# Altium PCB PCB1.PcbDoc
Units mm, origin at the board's own origin, x right, y up, seen from the top; angles counter-clockwise.
Board outline 100.26 x 100.32 mm, 4 copper layers (Top Layer, GND, PWR, Bottom Layer), stack 0.603 mm thick; 103 components, 143 nets, 461 pads, 87 vias.
Unrouted connection lines stored in the file: 14.
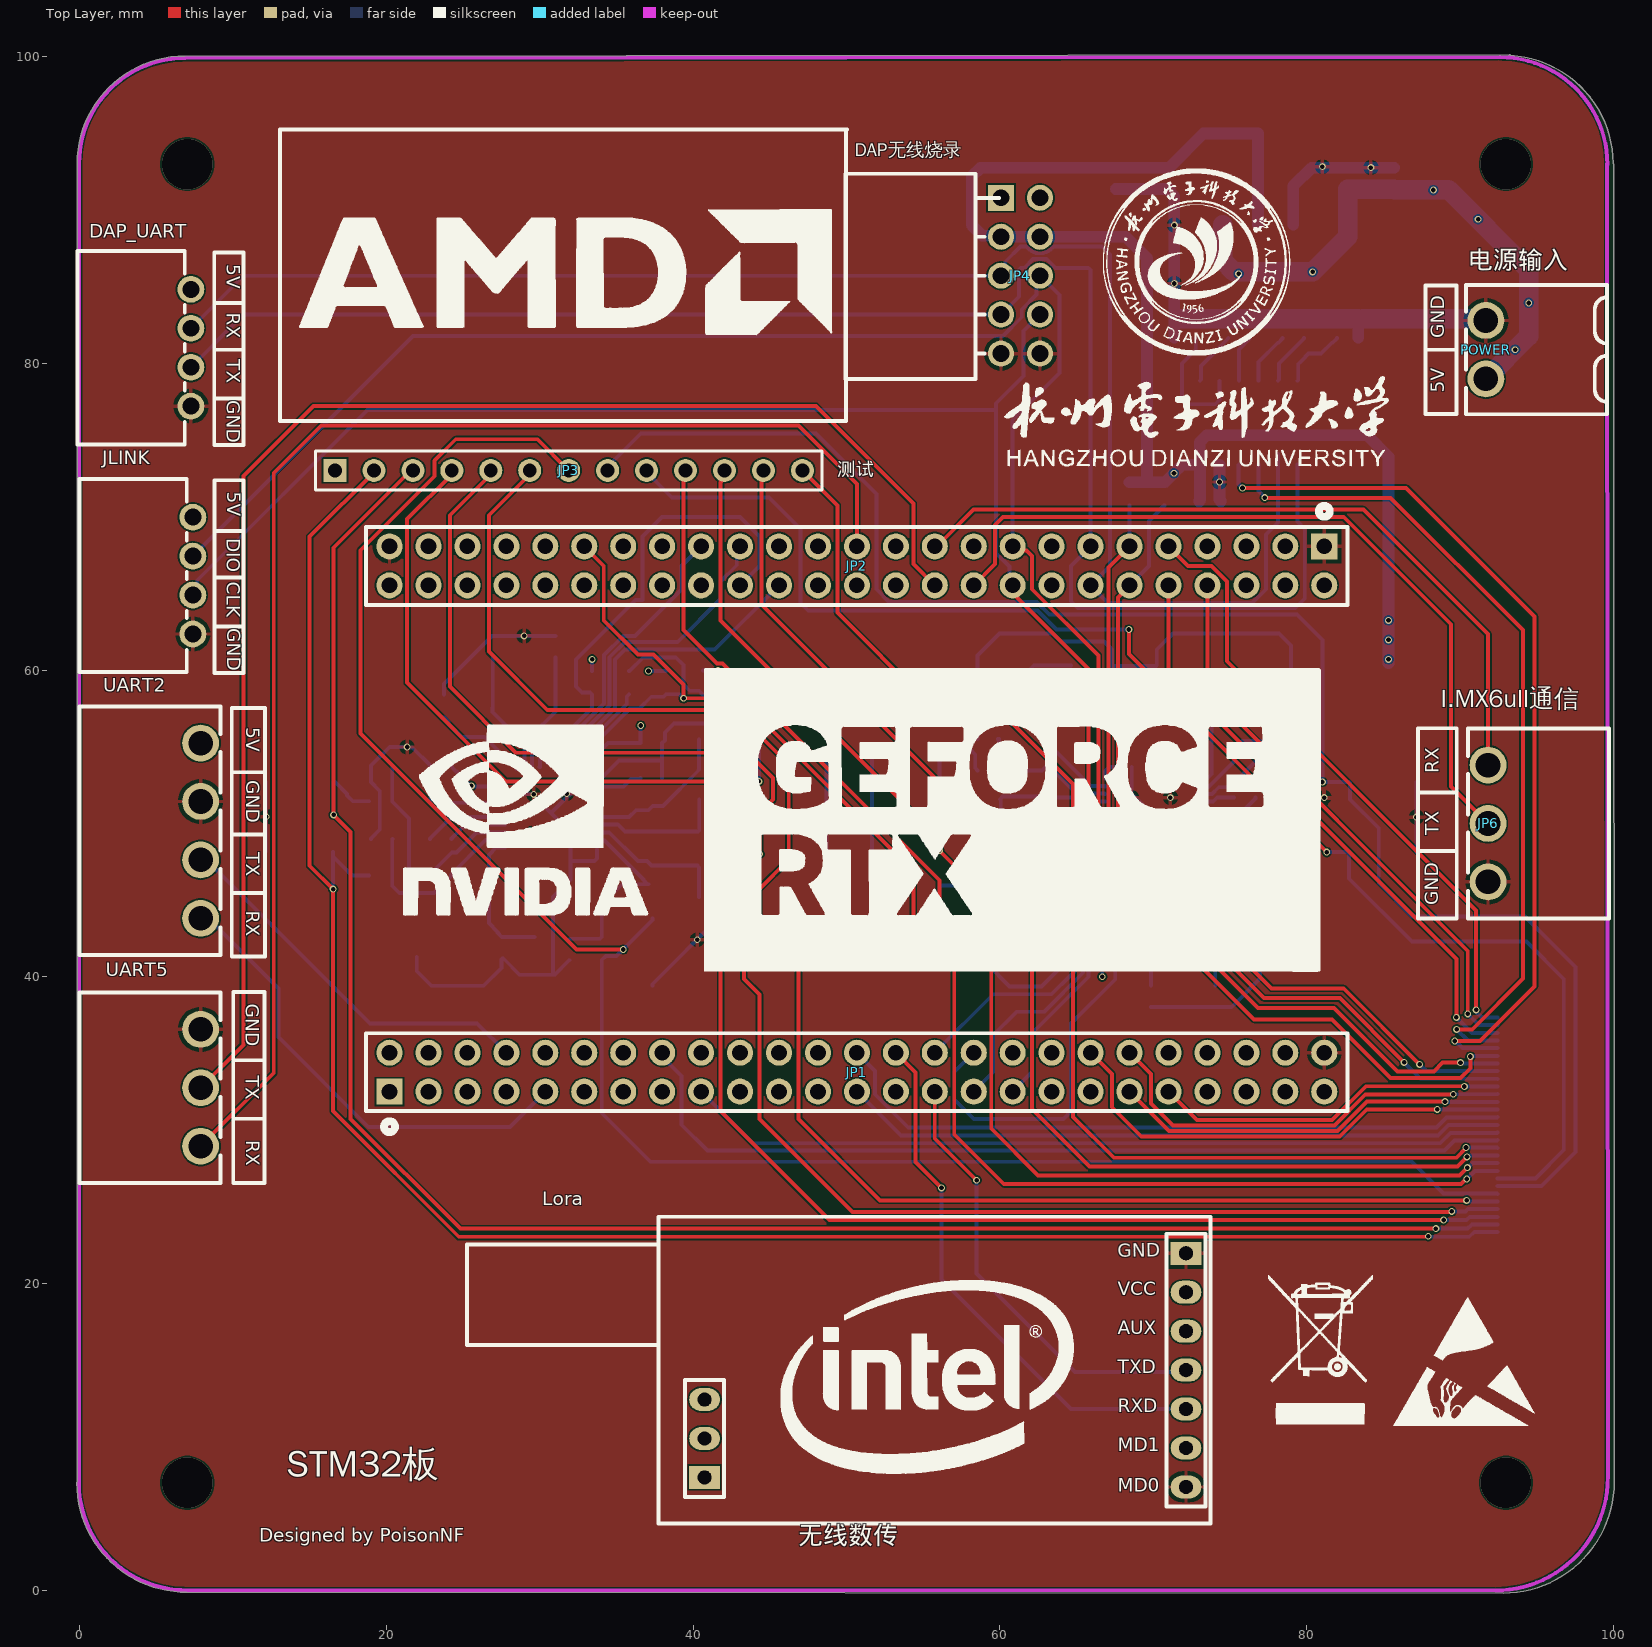
[diagram p0: Top Layer view]
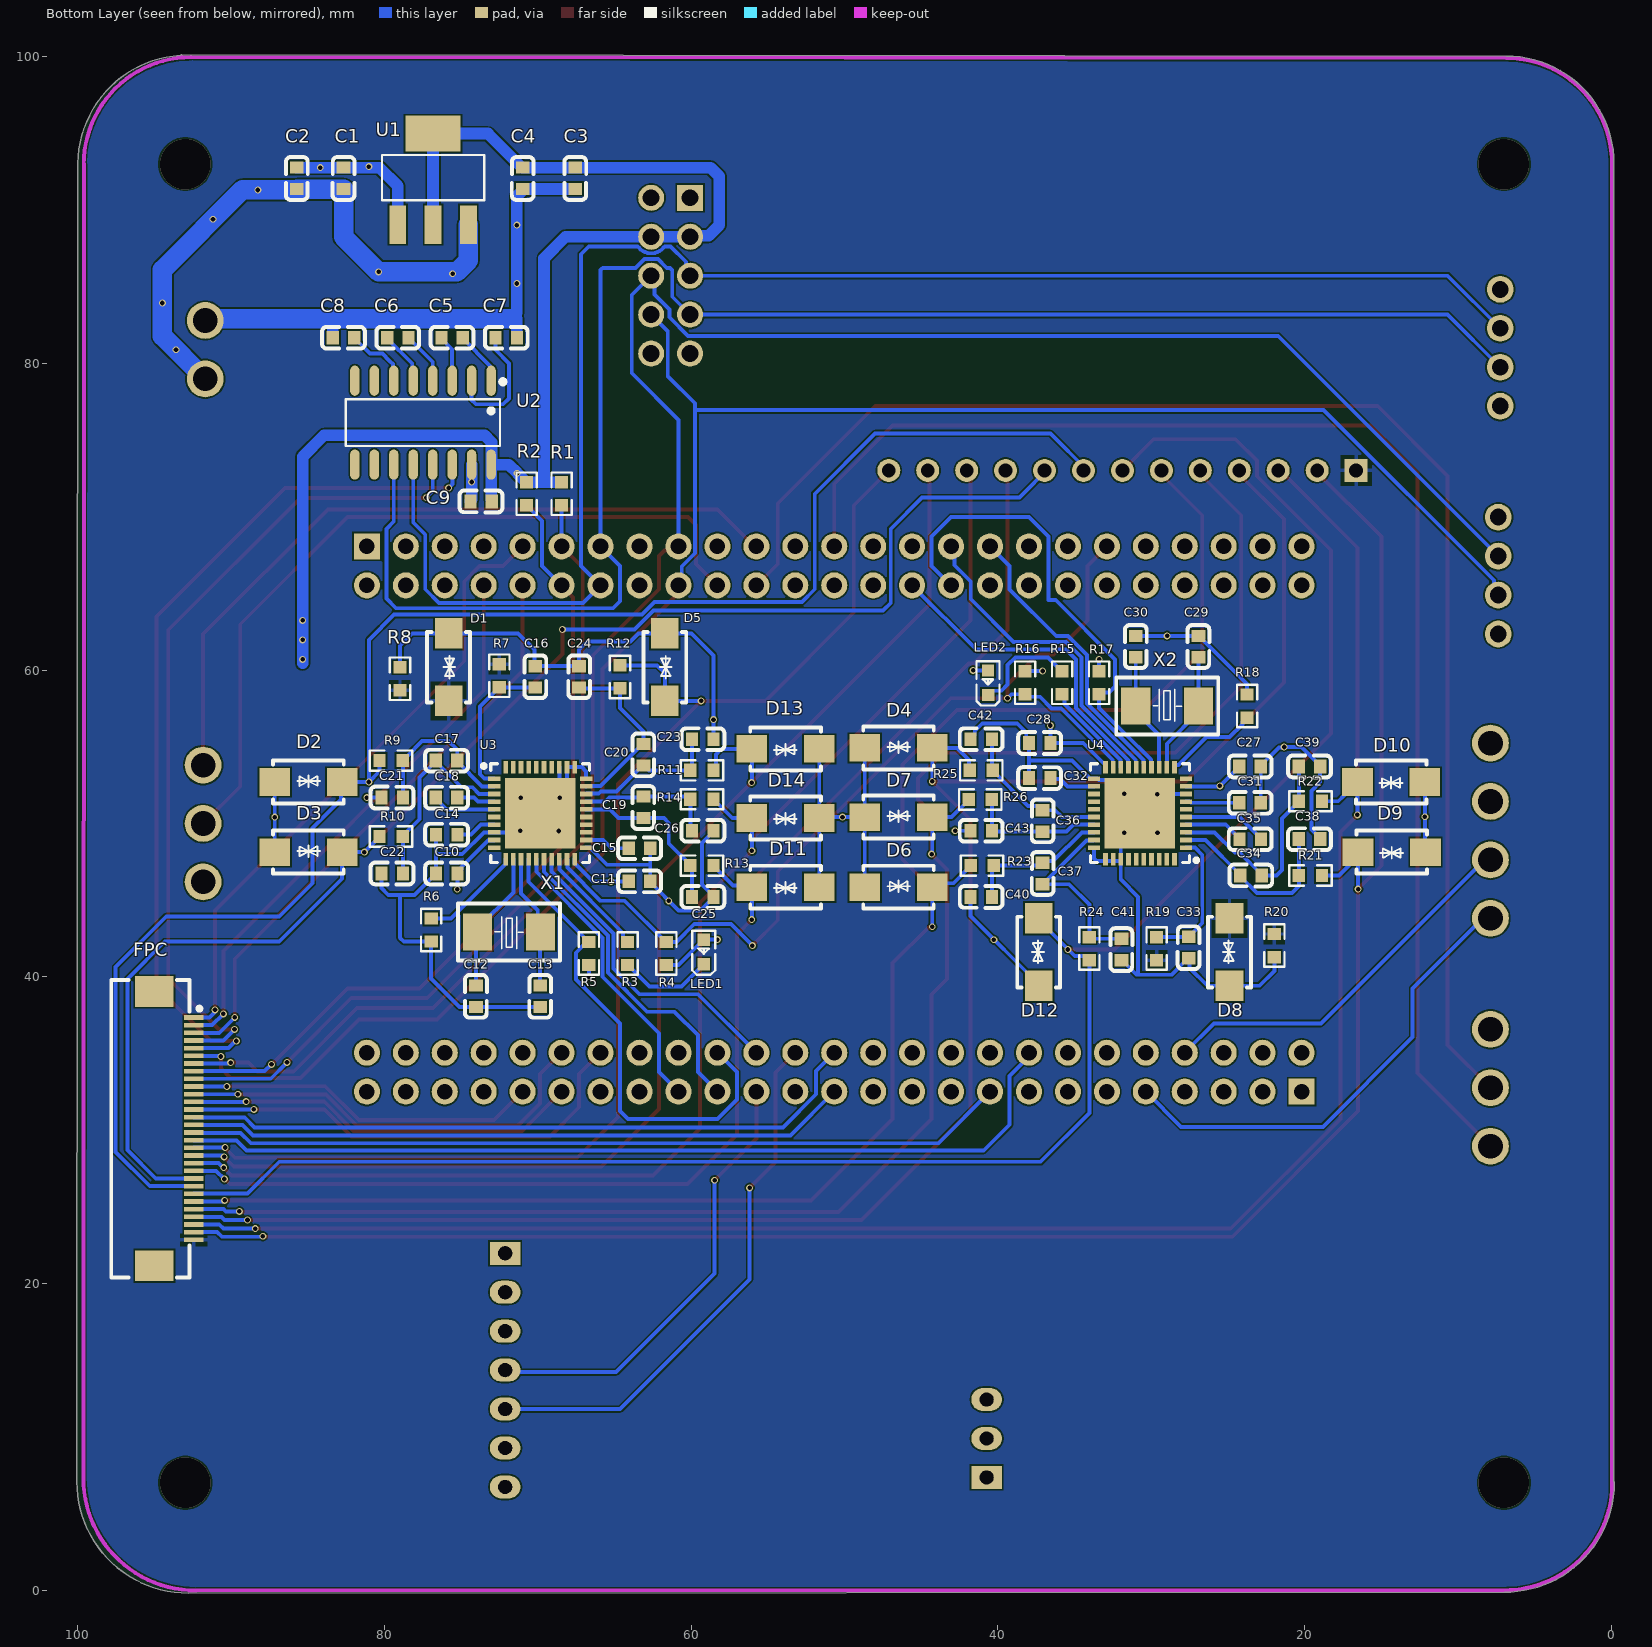
[diagram p1: Bottom Layer view, seen from below]
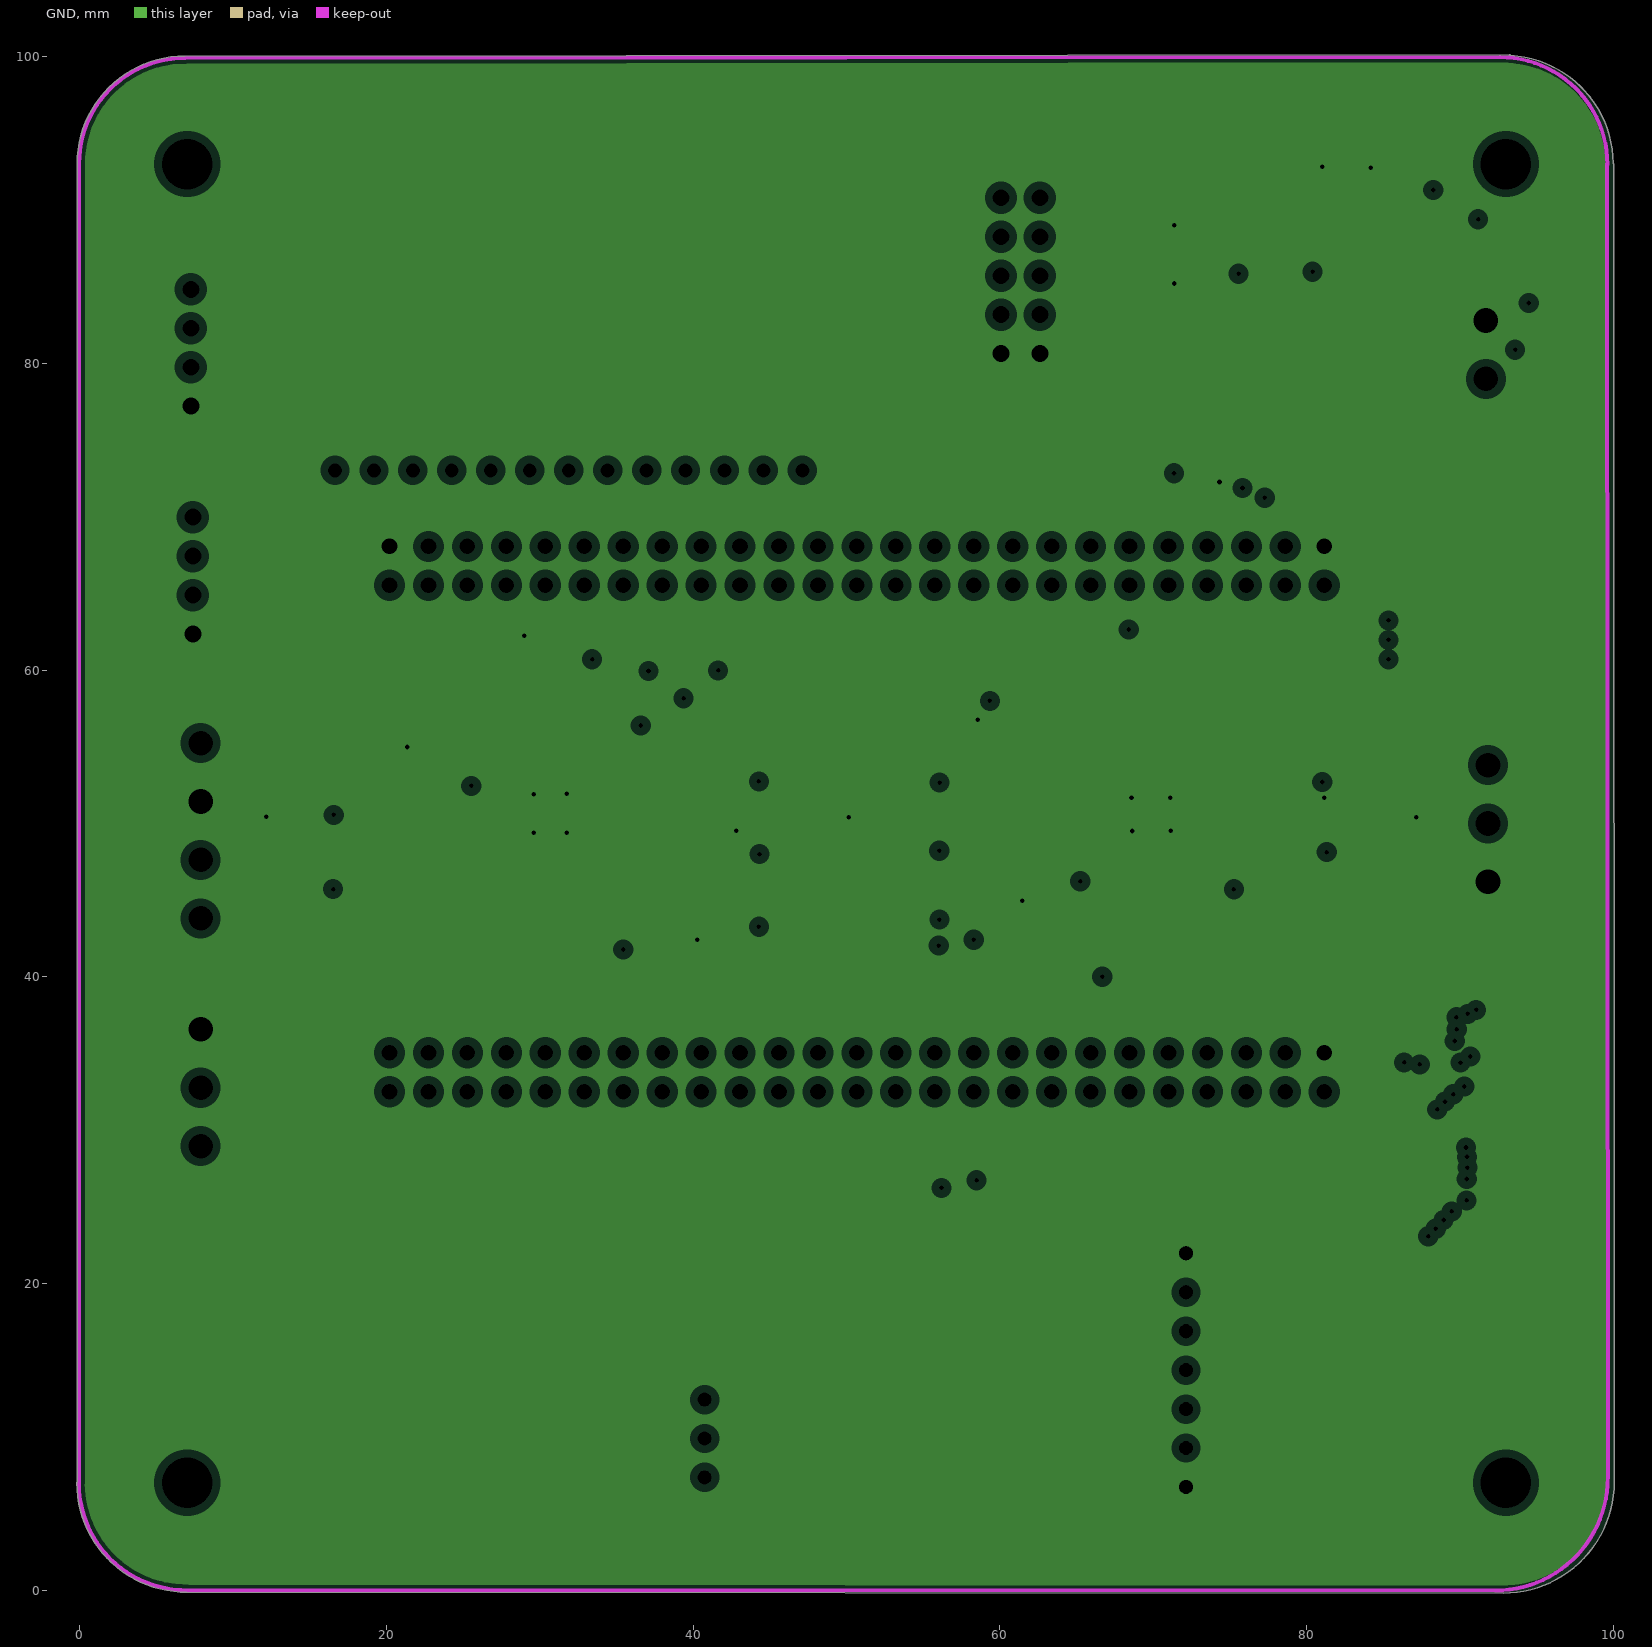
[diagram p2: GND, clearances drawn from the general rule]
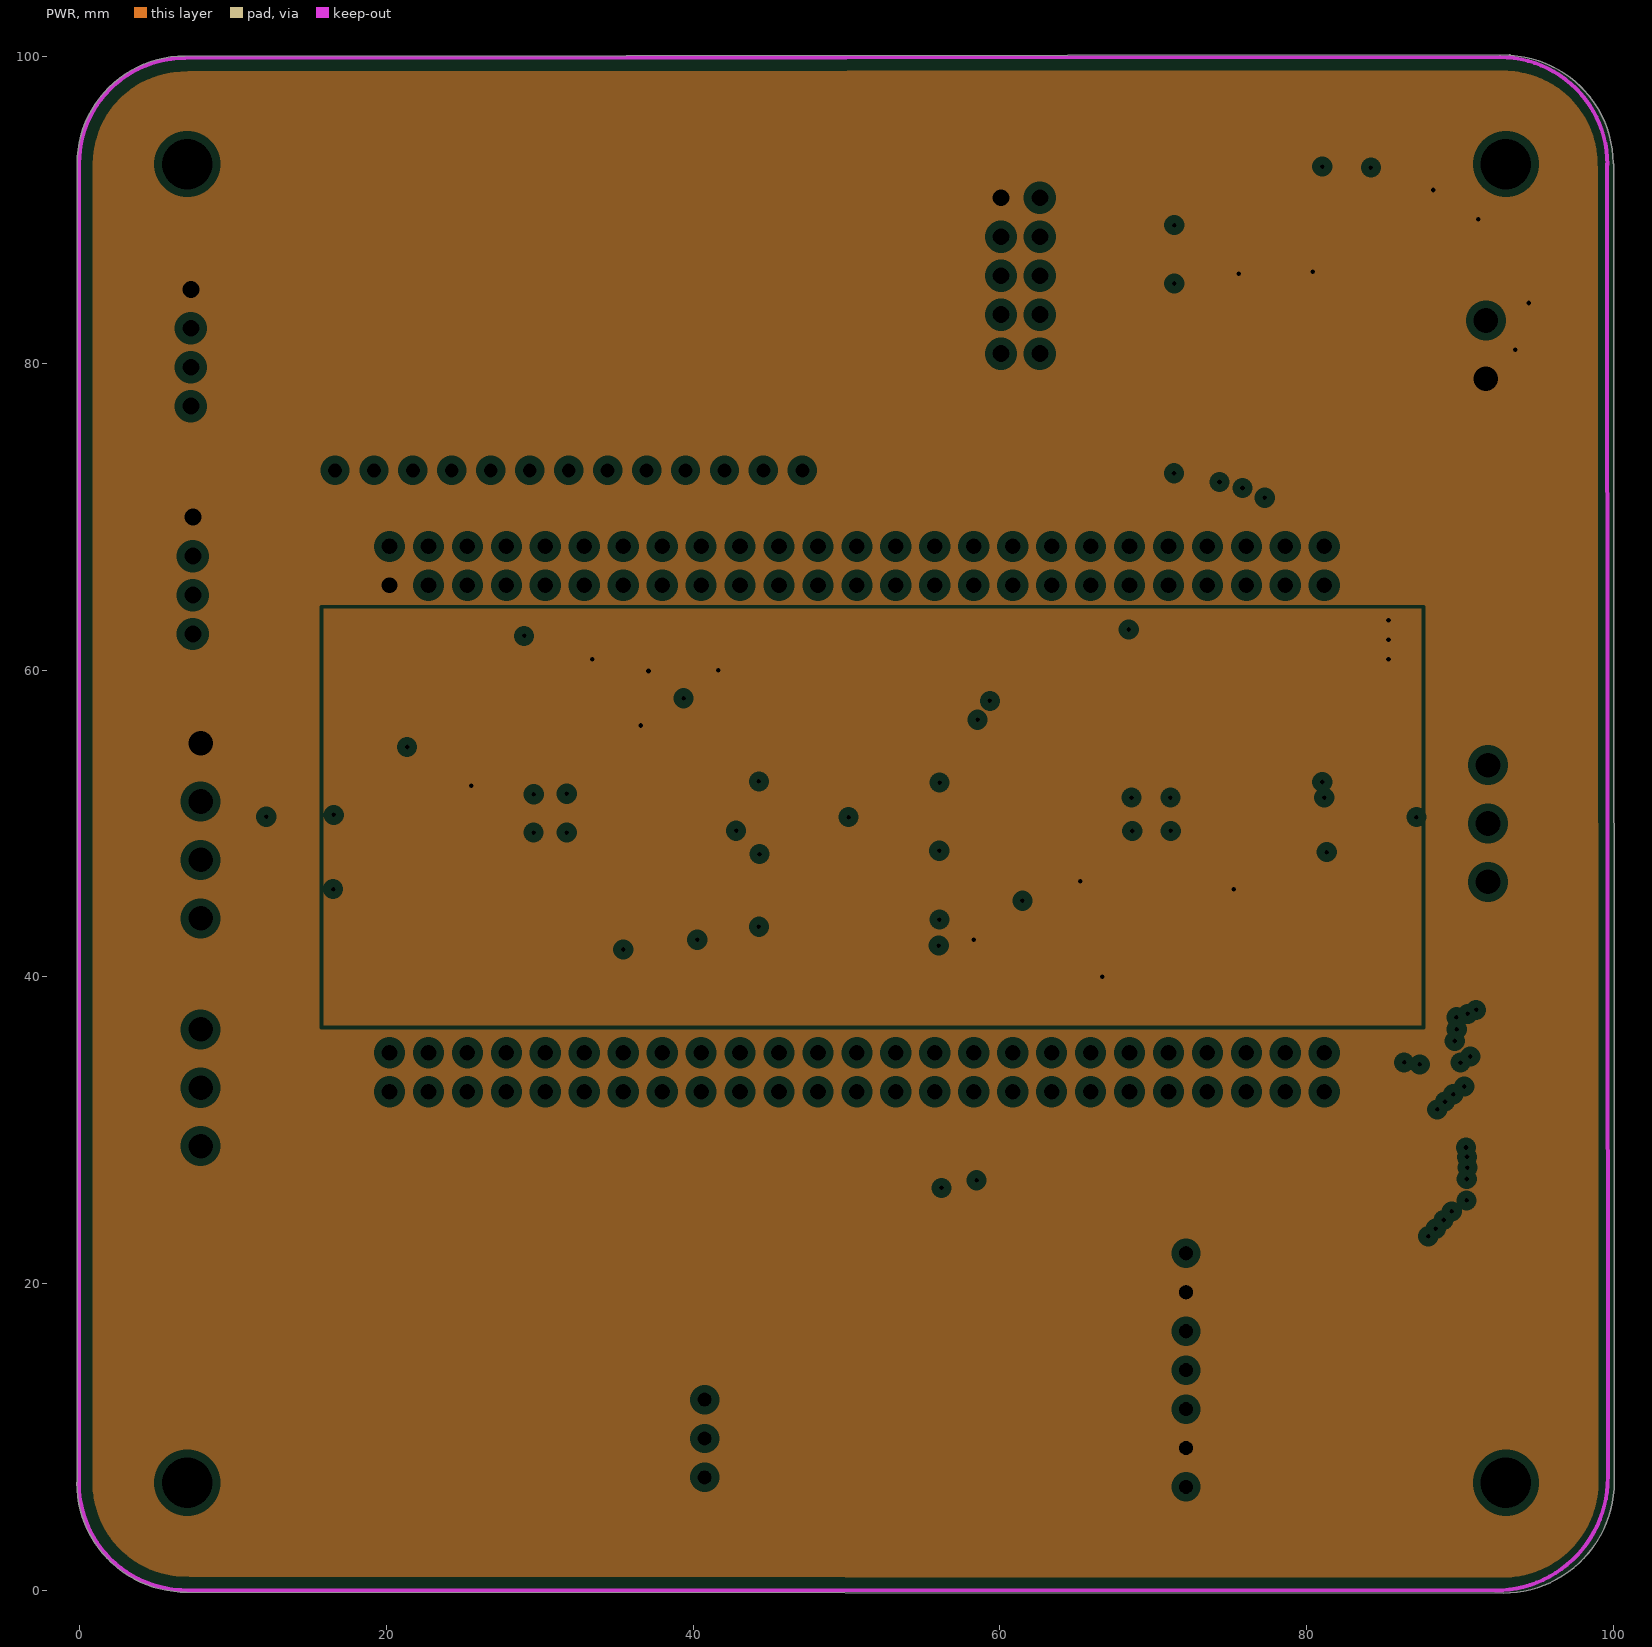
[diagram p3: PWR, clearances drawn from the general rule]

## Layer stack, top to bottom
Top Solder: solder mask 0.0102, Solder Resist, Dk 3.5
Top Layer: signal copper 0.0356
Dielectric 2: prepreg 0.0711, PP-006, Dk 4.1
GND: plane copper 0.035, net GND
Dielectric 1: dielectric 0.32, FR-4, Dk 4.8
PWR: plane copper 0.035, net (Multiple Nets)
Dielectric 3: prepreg 0.0711, PP-006, Dk 4.1
Bottom Layer: signal copper 0.0356
Bottom Solder: solder mask 0.0102, Solder Resist, Dk 3.5

## Board outline
6.563,-0.121 ccw(c6.604,0) 6.604,-0.127 6.739,-0.127 ccw(c6.929,6.998) 6.929,-0.13 ccw(c6.929,-0.003) 6.954,-0.128 92.811,-0.194 ccw(c92.811,7.061) 100.066,7.061 100.023,92.977 ccw(c99.896,92.977) 100,93.05 ccw(c92.873,92.977) 93.307,100.092 ccw(c93.218,100) 93.218,100.127 6.848,100.052 ccw(c6.848,93.026) -0.178,93.026 -0.178,7.066 ccw(c-0.071,6.997) -0.198,6.997 ccw(c6.929,6.997)

## Design rules (kind name [scope] priority, off if disabled: settings)
Clearance [All] p1: gap=0.1 ignorepadtopadclearanceinfootprint=FALSE
MinimumSolderMaskSliver [All] p1: minsoldermaskwidth=0
PlaneClearance [All] p1: clearance=0.508
PlaneConnect [All] p1: planeconnectstyle=Relief reliefexpansion=0.508 reliefentries=4 reliefconductorwidth=0.254 reliefairgap=0.254
PolygonConnect [All] p1: connectstyle=Relief reliefconductorwidth=0.254 reliefentries=4 polygonreliefangle="90 Angle" airgapwidth=0.254
RoutingVias [All] p1: holewidth=100 width=100 viastyle="Through Hole" minholewidth=0 minwidth=0 maxholewidth=0.711 maxwidth=6
SilkToSilkClearance [All] p1: silktosilkclearance=0
SilkToSolderMaskClearance [IsPad] p1: minsilkscreentomaskgap=0 clearancetoexposedcopper=TRUE
SolderMaskExpansion [All] p1: expansion=0.102 istentingtop=FALSE
Width [All] p1: maxlimit=2.54 minlimit=0.254 preferedwidth=0.762 bottomlayer_prefwidth=0.254 minimp=50.000000 maximp=50.000000 favimp=50.000000
25 further rules are at their usual default settings.

## Classes and differential pairs
component class STM32: C1 C2 C3 C4 C5 C6 C7 C8 C9 DAP_UART FPC JLINK JP1 JP2 JP3 JP4 JP6 Lora POWER R1 R2 U1 U2 Uart5 备用串口5 备用姿态传感器接口
component class AD4111_2: C27 C28 C29 C30 C31 C32 C33 C34 C35 C36 C37 C38 C39 C40 C41 C42 C43 D8 D9 D10 D11 D12 D13 D14 LED2 R15 R16 R17 R18 R19 R20 R21 R22 R23 R24 R25 R26 U4 X2
component class AD4111_1: C10 C11 C12 C13 C14 C15 C16 C17 C18 C19 C20 C21 C22 C23 C24 C25 C26 D1 D2 D3 D4 D5 D6 D7 LED1 R3 R4 R5 R6 R7 R8 R9 R10 R11 R12 R13 R14 U3 X1

## Components (designator, comment, footprint, x,y, rotation, side; value= is the part's Value field where it differs from the comment)
C1 "100nF" C0603 82.672,92.075 r90 bottom
C2 "10uF" C0603 85.72,92.075 r90 bottom value=100nF
C3 "10uF" C0603 67.559,92.075 r90 bottom value=100nF
C4 "100nF" C0603 70.988,92.075 r90 bottom
C5 "470nF" C0603 75.593,81.675 r180 bottom value=100nF
C6 "470nF" C0603 79.132,81.675 r180 bottom value=100nF
C7 "470nF" C0603 72.069,81.681 r0 bottom value=100nF
C8 "470nF" C0603 82.672,81.675 r180 bottom value=100nF
C9 "470nF" C0603 73.702,71 r180 bottom value=100nF
C10 "100nF" C0603 75.946,46.736 r180 bottom
C11 "100nF" C0603 63.373,46.228 r0 bottom
C12 "20pF" C0603 74.041,38.735 r90 bottom value=100nF
C13 "20pF" C0603 69.85,38.735 r90 bottom value=100nF
C14 "100nF" C0603 75.946,49.271 r180 bottom
C15 "100nF" C0603 63.373,48.387 r0 bottom
C16 "4.7nF" C0603 70.167,59.563 r270 bottom value=100nF
C17 "4.7nF" C0603 75.961,54.102 r0 bottom value=100nF
C18 "4.7nF" C0603 75.961,51.689 r0 bottom value=100nF
C19 "4.7nF" C0603 63.119,51.054 r90 bottom value=100nF
C20 "4.7nF" C0603 63.119,54.483 r90 bottom value=100nF
C21 "4.7nF" C0603 79.502,51.689 r180 bottom value=100nF
C22 "4.7nF" C0603 79.502,46.736 r180 bottom value=100nF
C23 "4.7nF" C0603 59.247,55.499 r0 bottom value=100nF
C24 "4.7nF" C0603 67.31,59.563 r270 bottom value=100nF
C25 "4.7nF" C0603 59.247,45.212 r0 bottom value=100nF
C26 "4.7nF" C0603 59.247,49.53 r0 bottom value=100nF
C27 "100nF" C0603 23.557,53.721 r0 bottom
C28 "100nF" C0603 37.273,55.245 r180 bottom
C29 "20pF" C0603 26.924,61.533 r270 bottom value=100nF
C30 "20pF" C0603 31.011,61.533 r270 bottom value=100nF
C31 "100nF" C0603 23.557,51.35 r0 bottom
C32 "100nF" C0603 37.273,52.959 r180 bottom
C33 "4.7nF" C0603 27.559,41.91 r90 bottom value=100nF
C34 "4.7nF" C0603 23.495,46.609 r180 bottom value=100nF
C35 "4.7nF" C0603 23.541,48.974 r180 bottom value=100nF
C36 "4.7nF" C0603 37.084,50.165 r270 bottom value=100nF
C37 "4.7nF" C0603 37.084,46.736 r270 bottom value=100nF
C38 "4.7nF" C0603 19.685,48.98 r0 bottom value=100nF
C39 "4.7nF" C0603 19.685,53.721 r0 bottom value=100nF
C40 "4.7nF" C0603 41.083,45.207 r180 bottom value=100nF
C41 "4.7nF" C0603 31.944,41.783 r90 bottom value=100nF
C42 "4.7nF" C0603 41.083,55.494 r180 bottom value=100nF
C43 "4.7nF" C0603 41.083,49.525 r180 bottom value=100nF
D1 "SMAJ33CA_C908829" SMA_L4.4-W2.8-LS5.1-BI 75.819,60.198 r90 bottom
D2 "SMAJ33CA_C908829" SMA_L4.4-W2.8-LS5.1-BI 84.963,52.705 r0 bottom
D3 "SMAJ33CA_C908829" SMA_L4.4-W2.8-LS5.1-BI 84.963,48.133 r0 bottom
D4 "SMAJ33CA_C908829" SMA_L4.4-W2.8-LS5.1-BI 53.848,54.864 r180 bottom
D5 "SMAJ33CA_C908829" SMA_L4.4-W2.8-LS5.1-BI 61.722,60.198 r90 bottom
D6 "SMAJ33CA_C908829" SMA_L4.4-W2.8-LS5.1-BI 53.848,45.847 r180 bottom
D7 "SMAJ33CA_C908829" SMA_L4.4-W2.8-LS5.1-BI 53.848,50.355 r180 bottom
D8 "SMAJ33CA_C908829" SMA_L4.4-W2.8-LS5.1-BI 24.892,41.615 r270 bottom
D9 "SMAJ33CA_C908829" SMA_L4.4-W2.8-LS5.1-BI 14.31,48.133 r180 bottom
D10 "SMAJ33CA_C908829" SMA_L4.4-W2.8-LS5.1-BI 14.351,52.705 r180 bottom
D11 "SMAJ33CA_C908829" SMA_L4.4-W2.8-LS5.1-BI 46.482,45.847 r0 bottom
D12 "SMAJ33CA_C908829" SMA_L4.4-W2.8-LS5.1-BI 37.338,41.615 r270 bottom
D13 "SMAJ33CA_C908829" SMA_L4.4-W2.8-LS5.1-BI 46.482,54.927 r0 bottom
D14 "SMAJ33CA_C908829" SMA_L4.4-W2.8-LS5.1-BI 46.482,50.419 r0 bottom
DAP_UART "XH-4AW" CONN-TH_XH-4AW 7.239,81.026 r270 top
FPC "FPC-05F-30PH20" FPC-SMD_30P-P0.50_XUNPU_FPC-05F-30PH20 93.726,30.099 r270 bottom
JLINK "XH-4AW" CONN-TH_XH-4AW 7.366,66.167 r270 top
JP1 "2685Y-225CNG1SNA01" HDR-TH_50P-P2.54-V-F-R2-C25-S2.54-1 50.673,33.782 r0 top
JP2 "2685Y-225CNG1SNA01" HDR-TH_50P-P2.54-V-F-R2-C25-S2.54-1 50.673,66.802 r180 top
JP3 "Header 13" HDR1X13 16.637,73.025 r0 top
JP4 "PM254-2-05-W-8.5" HDR-TH_10P-P2.54-H-F-R2-C5-W8.5 61.341,85.725 r270 top
JP6 "KF2EDGR-3.81-3P" CONN-TH_3P-P3.81_KF2EDGR-3.81-3P 91.833,50 r90 top
LED1 "NCD0603R1_C84263" LED0603-RD_RED 59.182,41.624 r90 bottom
LED2 "NCD0603R1_C84263" LED0603-RD_RED 40.64,59.182 r90 bottom
Lora "a28t2g4a27d1acn" a28_t2g4a27d1a 73.736,24.351 r180 top
POWER "KF2EDGR-3.81-2P" CONN-TH_2P-P3.81_KF2EDGR-3.81-2P 91.694,80.899 r90 top
R1 "10K" R0603 68.453,71.501 r270 bottom value=10kΩ
R2 "10K" R0603 70.739,71.501 r270 bottom value=10kΩ
R3 "2.2k" R0603 64.149,41.52 r270 bottom value=10kΩ
R4 "100k" R0603 61.624,41.52 r270 bottom value=10kΩ
R5 "100k" R0603 66.675,41.52 r270 bottom value=10kΩ
R6 "0" R0603 76.962,43.053 r90 bottom value=10kΩ
R7 "180" R0603 72.517,59.634 r270 bottom value=10kΩ
R8 "DNP" R0603 78.994,59.436 r90 bottom value=10kΩ
R9 "180" R0603 79.573,54.102 r180 bottom value=10kΩ
R10 "180" R0603 79.573,49.149 r180 bottom value=10kΩ
R11 "180" R0603 59.303,53.467 r0 bottom value=10kΩ
R12 "180" R0603 64.643,59.563 r270 bottom value=10kΩ
R13 "180" R0603 59.303,47.253 r0 bottom value=10kΩ
R14 "180" R0603 59.303,51.579 r0 bottom value=10kΩ
R15 "2.2k" R0603 35.814,59.182 r90 bottom value=10kΩ
R16 "100k" R0603 38.227,59.182 r90 bottom value=10kΩ
R17 "100k" R0603 33.401,59.182 r90 bottom value=10kΩ
R18 "0" R0603 23.749,57.658 r270 bottom value=10kΩ
R19 "180" R0603 29.651,41.839 r90 bottom value=10kΩ
R20 "DNP" R0603 21.971,42.037 r270 bottom value=10kΩ
R21 "180" R0603 19.614,46.609 r0 bottom value=10kΩ
R22 "180" R0603 19.614,51.451 r0 bottom value=10kΩ
R23 "180" R0603 41.027,47.253 r180 bottom value=10kΩ
R24 "180" R0603 34.036,41.839 r90 bottom value=10kΩ
R25 "180" R0603 41.083,53.467 r180 bottom value=10kΩ
R26 "180" R0603 41.148,51.562 r180 bottom value=10kΩ
U1 "A1117-3.3" SOT-223-3_L6.5-W3.4-P2.30-LS7.0-BR-1 76.835,92.026 r270 bottom
U2 "MAX3232IDR" SOIC-16_L9.9-W3.9-P1.27-LS6.0-BL 77.494,76.142 r0 bottom
U3 "AD4111BCPZ" LFCSP-40_L6.0-W6.0-P0.50-TL-EP4.6 69.85,50.673 r180 bottom
U4 "AD4111BCPZ" LFCSP-40_L6.0-W6.0-P0.50-TL-EP4.6 30.734,50.673 r0 bottom
UART2 "KF2EDGR-3.81-4P" CONN-TH_4P-P3.81_KF2EDGR-3.81-4P 7.874,49.53 r270 top
UART5 "KF2EDGR-3.81-3P" CONN-TH_3P-P3.81_KF2EDGR-3.81-3P 7.874,32.766 r270 top
X1 "11.0592MHZ" OSC-SMD_L5.0-W3.2 71.882,42.926 r180 bottom value=11.0592MHz
X2 "11.0592MHZ" OSC-SMD_L5.0-W3.2 28.956,57.658 r0 bottom value=11.0592MHz
